# Altium PCB relay_matrix.PcbDoc (part 6 of 9)
Units mm, origin at the board's own origin, x right, y up, seen from the top; angles counter-clockwise.
Board outline 330 x 220 mm, 2 copper layers (Top Layer, Bottom Layer); 498 components, 345 nets, 2134 pads, 717 vias.
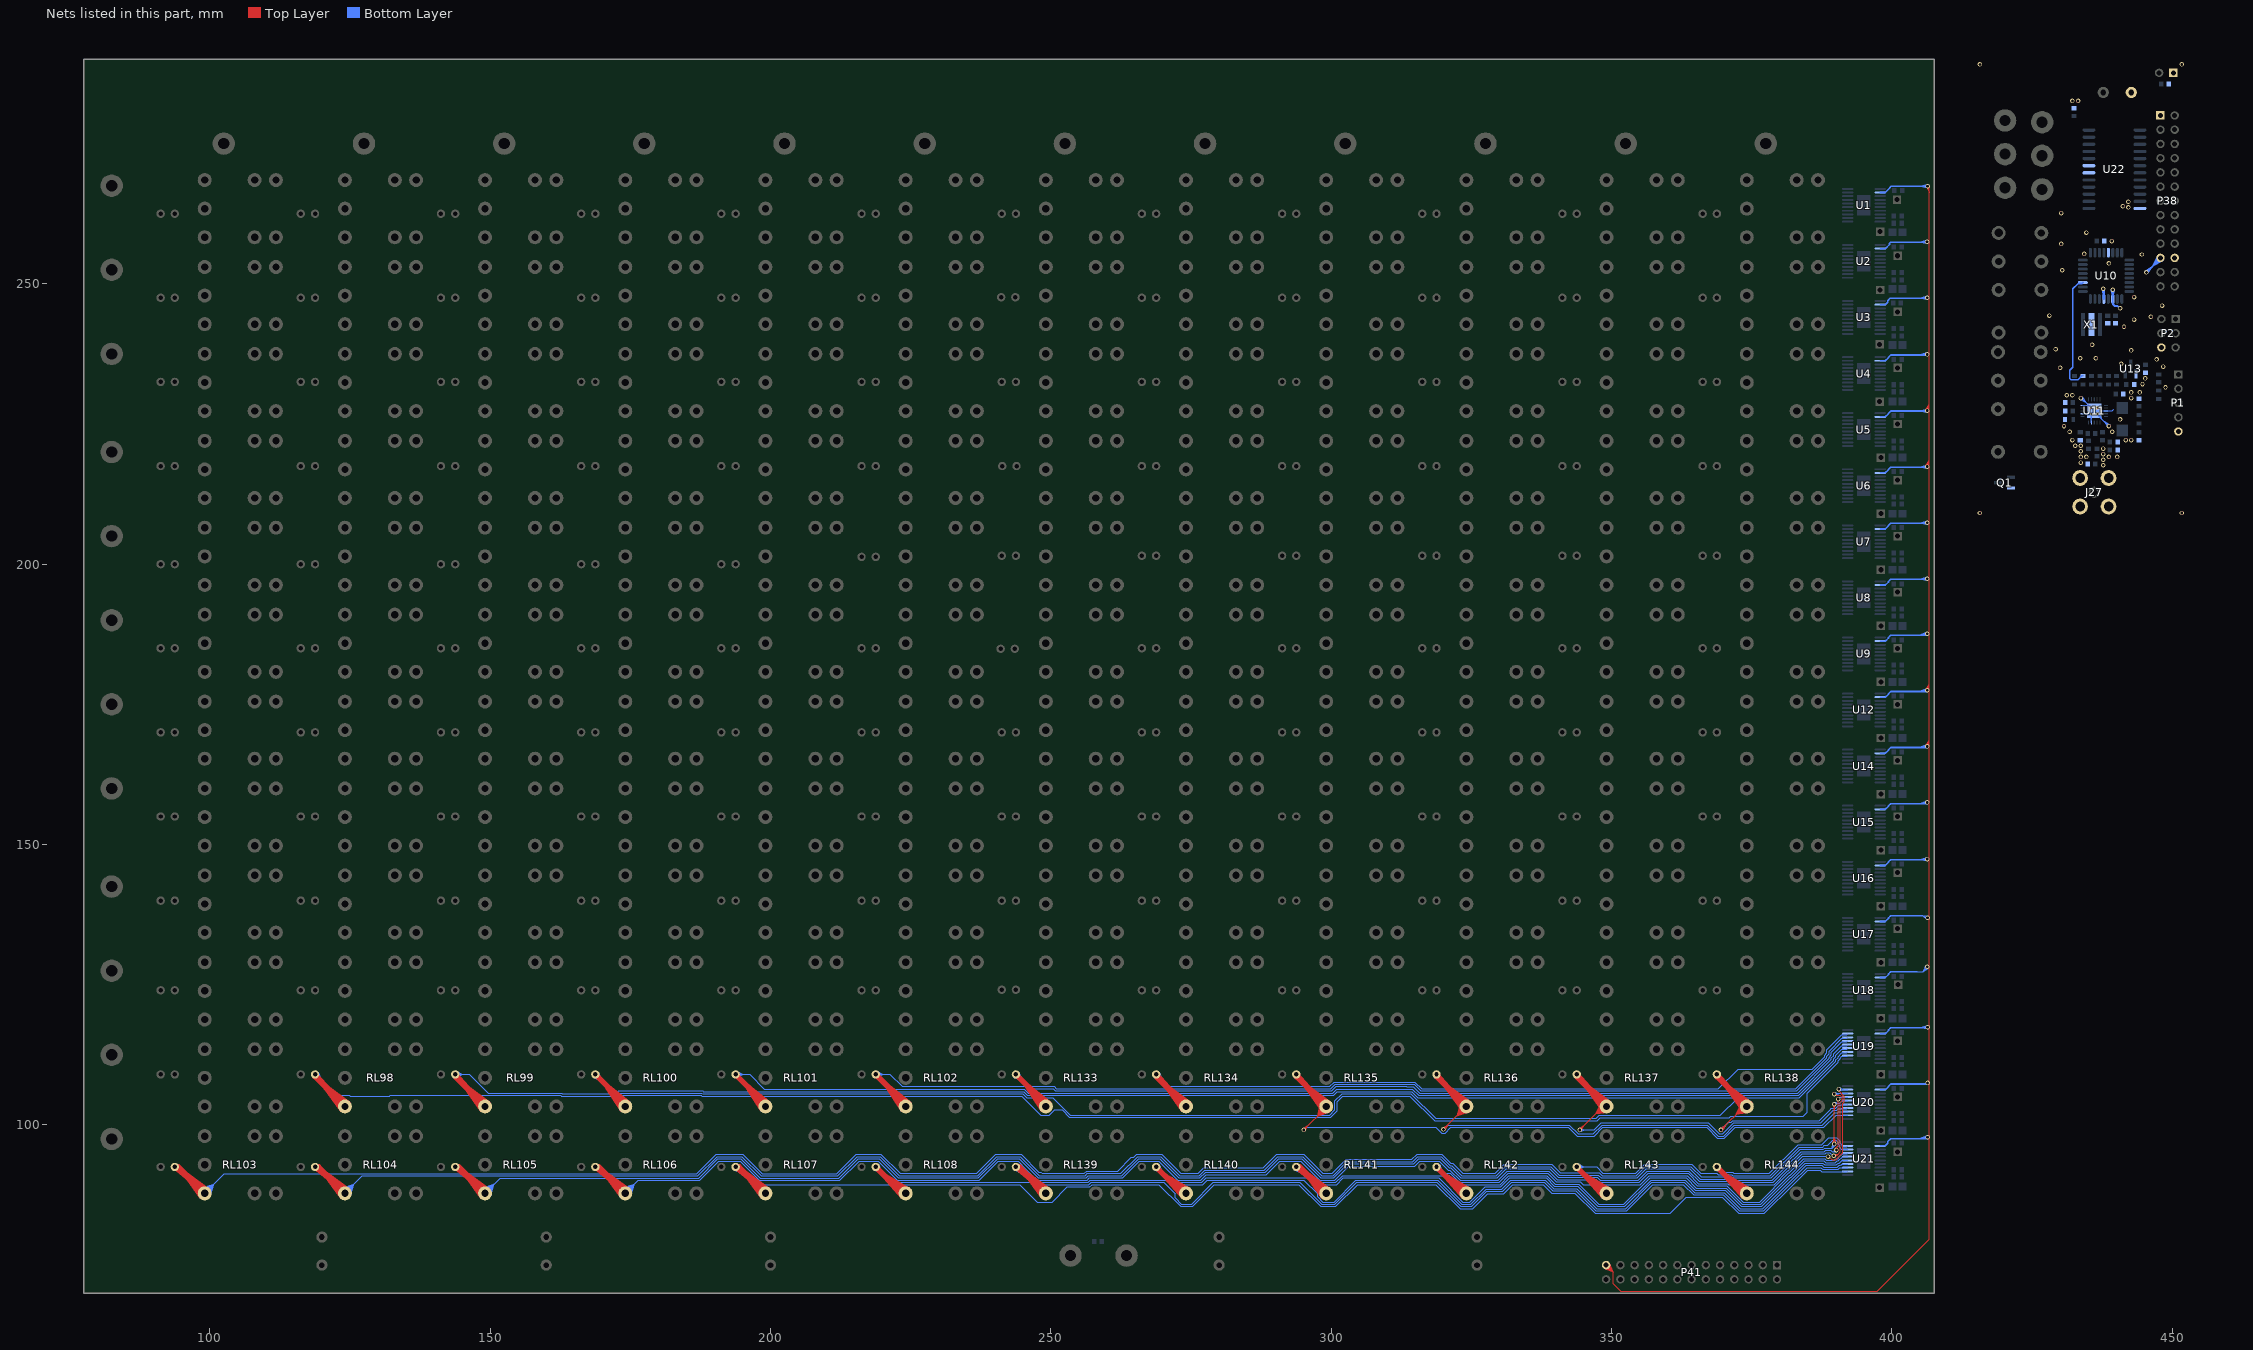
[diagram p6: the nets of this part, all layers, seen from the top]

## Via types
v1: diameter 0.8, hole 0.5, Top Layer to Bottom Layer, 477 vias
v2: diameter 0.8, hole 0.5, Top Layer to Bottom Layer, tented both sides, 122 vias
v3: diameter 0.6, hole 0.3, Top Layer to Bottom Layer, 112 vias
v4: diameter 7, hole 5, Top Layer to Bottom Layer, 6 vias

## Nets (pads, with @x,y where several pads share a name; then routed paths per layer and width w, separated by ;. In a path a pad name is that pad's centre, name@x,y a point inside that pad or via, vN(x,y) a via of type N, cw(c..) or ccw(c..) an arc to the next point about the centre after c; other vN are vias at no path point) (continued)
CONTROL_121: D98.2 RL98.3 U19.3 | length 325.6
  Top Layer w1: 121.455,105.945 D98.2@118.77,109 118.77,108.63 RL98.3@124.1,103.3 120.729,106.671 ; RL98.3@123.53,102.813 120.729,106.671 ; RL98.3@124.587,103.87 120.729,106.671
  Bottom Layer w0.2: D98.2@118.409,108.459 119.944,107.826 ; D98.2@118.498,108.642 119.944,107.826 ; D98.2@118.607,108.81 119.944,107.826 ; D98.2@118.77,109 122.62,105.15 123.192,105.15 123.292,105.25 124.908,105.25 125.008,105.15 132.092,105.15 132.192,105.25 162.608,105.25 162.708,105.15 173.192,105.15 173.292,105.25 187.608,105.25 187.708,105.15 244.792,105.15 248.192,101.75 249.742,101.75 250.65,102.658 251.992,102.658 253.3,101.35 299.908,101.35 301.05,102.492 301.05,104.108 302.092,105.15 314.034,105.15 318.434,100.75 347.395,100.75 347.959,101.314 371.007,101.314 371.243,101.55 384.15,101.55 384.9,102.3 384.9,105.681 390.4,111.181 390.4,111.437 390.8,111.837 390.8,111.922 391.078,112.2 ; D98.2@118.96,109.163 119.944,107.826 ; D98.2@119.128,109.272 119.944,107.826 ; D98.2@119.311,109.361 119.944,107.826 ; U19.3@392.1,112.375 391.925,112.2 391.078,112.2 ; 391.078,112.2 391.275,112.375 391.078,112.2
CONTROL_122: D99.2 RL99.3 U19.4 | length 295.8
  Top Layer w1: 146.455,105.945 D99.2@143.77,109 143.77,108.63 RL99.3@149.1,103.3 145.729,106.671 ; RL99.3@148.53,102.813 145.729,106.671 ; RL99.3@149.587,103.87 145.729,106.671
  Bottom Layer w0.2: D99.2@143.77,109 146.308,109 149.658,105.65 162.773,105.65 162.873,105.55 173.027,105.55 173.127,105.65 187.773,105.65 187.873,105.55 244.957,105.55 245.657,104.85 250.308,104.85 250.366,104.85 253.466,101.75 299.742,101.75 300.65,102.658 300.65,104.273 301.927,105.55 314.2,105.55 318.6,101.15 347.23,101.15 347.794,101.714 369.414,101.714 372.55,104.85 383.503,104.85 390,111.347 390,111.603 390.4,112.003 390.4,112.172 391.078,112.85 ; D99.2@143.793,108.751 145.12,109 ; D99.2@143.793,109.249 145.12,109 ; D99.2@143.845,108.556 145.12,109 ; D99.2@143.845,109.444 145.12,109 ; D99.2@143.926,108.369 145.12,109 ; D99.2@143.926,109.631 145.12,109 ; U19.4@392.1,113.025 391.925,112.85 391.078,112.85 ; 391.078,112.85 391.275,113.025 391.078,112.85
CONTROL_123: D100.2 RL100.3 U19.5 | length 262.3
  Top Layer w1: D100.2@168.77,109 174.1,103.67 RL100.3@174.1,103.3 170.944,106.826 ; RL100.3@173.503,102.846 170.944,106.826 ; RL100.3@174.617,103.843 170.944,106.826
  Bottom Layer w0.2: D100.2@168.409,108.459 169.944,107.826 ; D100.2@168.498,108.642 169.944,107.826 ; D100.2@168.607,108.81 169.944,107.826 ; D100.2@168.77,109 171.82,105.95 172.861,105.95 172.961,106.05 187.939,106.05 188.039,105.95 245.123,105.95 245.823,105.25 250.473,105.25 300.405,105.25 301.105,105.95 314.366,105.95 315.466,104.85 371.984,104.85 372.384,105.25 383.338,105.25 389.6,111.512 389.6,111.769 390,112.169 390,112.422 391.078,113.5 ; D100.2@168.96,109.163 169.944,107.826 ; D100.2@169.128,109.272 169.944,107.826 ; D100.2@169.311,109.361 169.944,107.826 ; U19.5@392.1,113.675 391.925,113.5 391.078,113.5 ; 391.078,113.5 391.275,113.675 391.078,113.5
CONTROL_124: D101.2 RL101.3 U19.6 | length 235.3
  Top Layer w1: D101.2@193.77,109 199.1,103.67 RL101.3@199.1,103.3 195.944,106.826 ; RL101.3@198.503,102.846 195.944,106.826 ; RL101.3@199.617,103.843 195.944,106.826
  Bottom Layer w0.2: D101.2@193.77,109 196.308,109 198.908,106.4 245.239,106.4 245.989,105.65 250.639,105.65 300.239,105.65 300.989,106.4 314.481,106.4 315.631,105.25 371.819,105.25 372.219,105.65 383.172,105.65 389.2,111.678 389.2,111.934 389.6,112.334 389.6,112.672 391.078,114.15 ; D101.2@193.793,108.751 195.12,109 ; D101.2@193.793,109.249 195.12,109 ; D101.2@193.845,108.556 195.12,109 ; D101.2@193.845,109.444 195.12,109 ; D101.2@193.926,108.369 195.12,109 ; D101.2@193.926,109.631 195.12,109 ; U19.6@392.1,114.325 391.925,114.15 391.078,114.15 ; 391.078,114.15 391.275,114.325 391.078,114.15
CONTROL_125: D102.2 RL102.3 U19.7 | length 210.4
  Top Layer w1: D102.2@218.77,109 224.1,103.67 RL102.3@224.1,103.3 220.944,106.826 ; RL102.3@223.503,102.846 220.944,106.826 ; RL102.3@224.617,103.843 220.944,106.826
  Bottom Layer w0.2: D102.2@218.77,109 221.308,109 223.458,106.85 245.354,106.85 245.754,106.45 250.405,106.45 250.805,106.05 300.073,106.05 300.873,106.85 313.4,106.85 313.45,106.8 314.647,106.8 315.797,105.65 371.653,105.65 372.053,106.05 383.006,106.05 388.8,111.844 388.8,112.1 389.2,112.5 389.2,112.922 391.078,114.8 ; D102.2@218.793,108.751 220.12,109 ; D102.2@218.793,109.249 220.12,109 ; D102.2@218.845,108.556 220.12,109 ; D102.2@218.845,109.444 220.12,109 ; D102.2@218.926,108.369 220.12,109 ; D102.2@218.926,109.631 220.12,109 ; U19.7@392.1,114.975 391.925,114.8 391.078,114.8 ; 391.078,114.8 391.275,114.975 391.078,114.8
CONTROL_126: D133.2 RL133.3 U19.8 | length 187.2
  Top Layer w1: D133.2@243.77,109 249.1,103.67 RL133.3@249.1,103.3 245.944,106.826 ; RL133.3@248.503,102.846 245.944,106.826 ; RL133.3@249.617,103.843 245.944,106.826
  Bottom Layer w0.2: D133.2@243.409,108.459 244.944,107.826 ; D133.2@243.498,108.642 244.944,107.826 ; D133.2@243.607,108.81 244.944,107.826 ; D133.2@243.77,109 245.92,106.85 250.57,106.85 250.97,106.45 299.908,106.45 300.708,107.25 314.763,107.25 315.963,106.05 371.487,106.05 371.887,106.45 382.841,106.45 388.4,112.009 388.4,112.266 388.8,112.666 388.8,113.172 391.078,115.45 ; D133.2@243.96,109.163 244.944,107.826 ; D133.2@244.128,109.272 244.944,107.826 ; D133.2@244.311,109.361 244.944,107.826 ; U19.8@392.1,115.625 391.925,115.45 391.078,115.45 ; 391.078,115.45 391.275,115.625 391.078,115.45
CONTROL_127: D134.2 RL134.3 U19.9 | length 166.4
  Top Layer w1: 271.455,105.945 D134.2@268.77,109 268.77,108.63 RL134.3@274.1,103.3 270.729,106.671 ; RL134.3@273.53,102.813 270.729,106.671 ; RL134.3@274.587,103.87 270.729,106.671
  Bottom Layer w0.2: D134.2@268.409,108.459 269.944,107.826 ; D134.2@268.498,108.642 269.944,107.826 ; D134.2@268.607,108.81 269.944,107.826 ; D134.2@268.77,109 270.92,106.85 299.742,106.85 300.542,107.65 314.928,107.65 316.128,106.45 369.05,106.45 372.55,109.95 385.775,109.95 388,112.175 388,112.432 388.4,112.832 388.4,113.422 391.078,116.1 ; D134.2@268.96,109.163 269.944,107.826 ; D134.2@269.128,109.272 269.944,107.826 ; D134.2@269.311,109.361 269.944,107.826 ; U19.9@392.1,116.275 391.925,116.1 391.078,116.1 ; 391.078,116.1 391.275,116.275 391.078,116.1
CONTROL_128: D135.2 RL135.3 U20.2 | length 168.7
  Top Layer w0.2: v1@294.917,99.338 295.924,99.924 v1@295.338,98.917 ; v1(295.1,99.1) 299.1,103.1 RL135.3@299.1,103.3 297.553,101.553 ; RL135.3@298.078,103.827 297.553,101.553 ; RL135.3@298.275,103.772 297.553,101.553 ; RL135.3@298.466,103.701 297.553,101.553 ; RL135.3@298.648,103.614 297.553,101.553 ; RL135.3@298.821,103.512 297.553,101.553 ; RL135.3@298.985,103.396 297.553,101.553 ; RL135.3@299.209,103.197 297.553,101.553 ; RL135.3@299.344,103.049 297.553,101.553 ; RL135.3@299.466,102.889 297.553,101.553 ; RL135.3@299.574,102.719 297.553,101.553 ; RL135.3@299.668,102.539 297.553,101.553 ; RL135.3@299.747,102.349 297.553,101.553
  Top Layer w1: 296.455,105.945 D135.2@293.77,109 293.77,108.63 RL135.3@299.1,103.3 295.729,106.671 ; RL135.3@298.53,102.813 295.729,106.671 ; RL135.3@299.587,103.87 295.729,106.671
  Bottom Layer w0.2: v1@294.944,99.356 295.55,99.55 ; v1(295.1,99.1) 295.55,99.55 ; v1@295.356,98.944 295.55,99.55 ; 390.5,101.725 U20.2@391.275,101.725 ; U20.2@392.1,101.725 390.046,101.725 387.871,99.55 372.071,99.55 370.121,97.6 368.879,97.6 366.929,99.55 362.442,99.55 348.458,99.55 346.908,98 343.844,98 342.294,99.55 321.34,99.55 320.29,98.5 319.71,98.5 318.66,99.55 295.55,99.55
CONTROL_129: D136.2 RL136.3 U20.3 | length 144.4
  Top Layer w0.2: v1@319.817,99.438 320.824,100.024 v1@320.238,99.017 ; v1(320,99.2) RL136.3@324.1,103.3 322.426,101.626 ; RL136.3@323.114,103.891 322.426,101.626 ; RL136.3@323.307,103.823 322.426,101.626 ; RL136.3@323.492,103.74 322.426,101.626 ; RL136.3@323.669,103.641 322.426,101.626 ; RL136.3@323.835,103.529 322.426,101.626 ; RL136.3@323.991,103.403 322.426,101.626 ; RL136.3@324.203,103.191 322.426,101.626 ; RL136.3@324.329,103.035 322.426,101.626 ; RL136.3@324.441,102.869 322.426,101.626 ; RL136.3@324.54,102.692 322.426,101.626 ; RL136.3@324.623,102.507 322.426,101.626 ; RL136.3@324.691,102.314 322.426,101.626
  Top Layer w1: 321.455,105.945 D136.2@318.77,109 318.77,108.63 RL136.3@324.1,103.3 320.729,106.671 ; RL136.3@323.53,102.813 320.729,106.671 ; RL136.3@324.587,103.87 320.729,106.671
  Bottom Layer w0.2: v1@319.82,99.44 320.75,99.95 ; v1(320,99.2) 320.75,99.95 ; v1@320.24,99.02 320.75,99.95 ; 390.5,102.375 U20.3@391.275,102.375 ; U20.3@392.1,102.375 390.496,102.375 390.321,102.2 389.814,102.2 387.564,99.95 371.906,99.95 369.956,98 369.044,98 367.094,99.95 348.292,99.95 346.742,98.4 344.01,98.4 342.46,99.95 320.75,99.95
CONTROL_130: D137.2 RL137.3 U20.4 | length 119.3
  Top Layer w0.2: v1@344.117,99.338 345.124,99.924 v1@344.538,98.917 ; v1(344.3,99.1) 348.5,103.3 RL137.3@349.1,103.3 347.176,101.976 ; RL137.3@348.235,104.058 347.176,101.976 ; RL137.3@348.414,103.957 347.176,101.976 ; RL137.3@348.581,103.842 347.176,101.976 ; RL137.3@348.737,103.713 347.176,101.976 ; RL137.3@348.881,103.573 347.176,101.976 ; RL137.3@349.011,103.421 347.176,101.976 ; RL137.3@349.181,103.174 347.176,101.976 ; RL137.3@349.276,102.998 347.176,101.976 ; RL137.3@349.356,102.813 347.176,101.976 ; RL137.3@349.42,102.622 347.176,101.976 ; RL137.3@349.468,102.424 347.176,101.976 ; RL137.3@349.499,102.221 347.176,101.976
  Top Layer w1: 346.455,105.945 D137.2@343.77,109 343.77,108.63 RL137.3@349.1,103.3 345.729,106.671 ; RL137.3@348.53,102.813 345.729,106.671 ; RL137.3@349.587,103.87 345.729,106.671
  Bottom Layer w0.2: v1(344.3,99.1) 346.877,99.1 348.127,100.35 367.26,100.35 369.21,98.4 369.79,98.4 371.74,100.35 387.257,100.35 389.507,102.6 390.156,102.6 390.456,102.9 391.975,102.9 U20.4@392.1,103.025 ; v1@344.345,98.803 345.3,99.1 v1@344.345,99.397 ; 390.499,102.9 U20.4@391.275,103.025
CONTROL_131: D138.2 RL138.3 U20.5 | length 92.4
  Top Layer w0.2: v1@369.317,99.338 370.324,99.924 v1@369.738,98.917 ; v1(369.5,99.1) 373.7,103.3 RL138.3@374.1,103.3 372.269,101.869 ; RL138.3@373.19,104.003 372.269,101.869 ; RL138.3@373.374,103.913 372.269,101.869 ; RL138.3@373.549,103.809 372.269,101.869 ; RL138.3@373.712,103.69 372.269,101.869 ; RL138.3@373.864,103.559 372.269,101.869 ; RL138.3@374.004,103.415 372.269,101.869 ; RL138.3@374.188,103.179 372.269,101.869 ; RL138.3@374.294,103.009 372.269,101.869 ; RL138.3@374.385,102.83 372.269,101.869 ; RL138.3@374.46,102.642 372.269,101.869 ; RL138.3@374.52,102.448 372.269,101.869 ; RL138.3@374.562,102.247 372.269,101.869
  Top Layer w1: 371.455,105.945 D138.2@368.77,109 368.77,108.63 RL138.3@374.1,103.3 370.729,106.671 ; RL138.3@373.53,102.813 370.729,106.671 ; RL138.3@374.587,103.87 370.729,106.671
  Bottom Layer w0.2: v1@369.317,99.338 370.324,99.924 v1@369.738,98.917 ; v1(369.5,99.1) 370.914,100.514 371.338,100.514 371.574,100.75 387.066,100.75 389.1,102.784 389.1,102.9 389.2,103 389.99,103 390.49,103.5 390.856,103.5 390.956,103.6 ; U20.5@391.275,103.675 390.956,103.6 ; U20.5@392.1,103.675 392.025,103.6 390.956,103.6
CONTROL_132: D103.2 RL103.3 U20.6 | length 389.5
  Top Layer w0.2: v1@389.403,96.645 389.7,97.6 ; v1@389.403,103.655 389.7,102.7 v1@389.997,103.655 ; v1(389.7,103.7) 389.7,96.601 389.7,97.6 ; v1@389.996,96.645 389.7,97.6
  Top Layer w1: 96.997,89.903 D103.2@93.77,92.5 94.4,92.5 RL103.3@99.1,87.8 95.729,91.171 ; RL103.3@98.53,87.313 95.729,91.171 ; RL103.3@99.587,88.37 95.729,91.171
  Bottom Layer w0.2: RL103.3@98.509,88.786 100.774,89.474 ; RL103.3@98.577,88.593 100.774,89.474 ; RL103.3@98.66,88.408 100.774,89.474 ; RL103.3@98.759,88.231 100.774,89.474 ; RL103.3@98.871,88.065 100.774,89.474 ; RL103.3@98.997,87.909 100.774,89.474 ; RL103.3@99.1,87.8 102.6,91.3 186.848,91.3 190.298,94.75 195.058,94.75 198.508,91.3 211.848,91.3 215.298,94.75 219.702,94.75 223.102,91.35 236.75,91.35 240.15,94.75 244.702,94.75 247.876,91.576 248.232,91.576 248.458,91.35 255.964,91.35 256.364,91.75 261.9,91.75 264.35,94.2 264.748,94.2 265.298,94.75 269.747,94.75 273.147,91.35 276.25,91.35 277.251,92.351 287.9,92.351 290.298,94.75 295.058,94.75 298.458,91.35 300.15,91.35 302.636,93.836 314.384,93.836 315.298,94.75 319.747,94.75 321.349,93.149 321.659,93.149 323.458,91.35 329.267,91.35 330.867,92.95 335.7,92.95 335.702,92.951 339.294,92.951 340.795,91.45 347.792,91.45 348.292,90.95 354.433,90.95 356.032,92.55 364.129,92.55 365.941,90.738 371.232,90.738 371.421,90.55 378.467,90.55 380.953,93.036 381.006,93.036 383.62,95.65 387.773,95.65 387.978,95.855 389.355,95.855 ; RL103.3@99.209,87.697 100.774,89.474 ; RL103.3@99.365,87.571 100.774,89.474 ; RL103.3@99.531,87.459 100.774,89.474 ; RL103.3@99.708,87.36 100.774,89.474 ; RL103.3@99.893,87.277 100.774,89.474 ; RL103.3@100.086,87.209 100.774,89.474 ; v1@389.409,96.674 389.355,95.855 ; v1@389.944,96.426 389.355,95.855 ; U20.6@392.1,104.325 391.115,104.325 390.69,103.9 390.11,103.9 ; 389.355,95.855 v1(389.699,96.6) 389.9,96.6 390,96.5 389.355,95.855 ; v1(389.7,103.7) 390.11,103.9 ; v1(389.7,103.7) 390.11,103.9 ; v1(389.7,103.7) 389.7,104 390.01,104 390.11,103.9 ; 390.11,103.9 389.913,103.489 390.11,103.9 ; 390.11,103.9 389.664,103.998 390.11,103.9
CONTROL_133: D104.2 RL104.3 U20.7 | length 358.1
  Top Layer w0.2: v1@389.812,95.588 390.099,96.01 ; v1(390.099,95.5) 390.099,96.01 ; v1@390.386,95.588 390.099,96.01 ; 390.399,103.409 390.399,96.31 390.099,96.01 ; 390.4,103.41 v1(390.4,104.6)
  Top Layer w1: 121.997,89.903 D104.2@118.77,92.5 119.4,92.5 RL104.3@124.1,87.8 120.729,91.171 ; RL104.3@123.53,87.313 120.729,91.171 ; RL104.3@124.587,88.37 120.729,91.171
  Bottom Layer w0.2: RL104.3@123.509,88.786 125.774,89.474 ; RL104.3@123.577,88.593 125.774,89.474 ; RL104.3@123.66,88.408 125.774,89.474 ; RL104.3@123.759,88.231 125.774,89.474 ; RL104.3@123.871,88.065 125.774,89.474 ; RL104.3@123.997,87.909 125.774,89.474 ; RL104.3@124.1,87.8 127.2,90.9 187.014,90.9 190.464,94.35 194.892,94.35 198.342,90.9 212.014,90.9 215.464,94.35 219.536,94.35 222.936,90.95 236.916,90.95 240.316,94.35 244.536,94.35 247.936,90.95 256.13,90.95 256.53,91.35 262.464,91.35 265.464,94.35 269.581,94.35 272.981,90.95 276.416,90.95 277.417,91.951 288.065,91.951 290.464,94.35 294.892,94.35 298.292,90.95 300.316,90.95 302.801,93.436 314.549,93.436 315.464,94.35 319.581,94.35 321.183,92.749 321.494,92.749 323.292,90.95 329.433,90.95 331.032,92.55 335.983,92.55 335.984,92.551 339.128,92.551 340.629,91.05 347.627,91.05 348.127,90.55 354.598,90.55 356.198,92.15 363.964,92.15 365.775,90.338 371.067,90.338 371.255,90.15 378.633,90.15 381.118,92.636 381.171,92.636 383.786,95.25 387.939,95.25 388.144,95.455 389.101,95.455 389.356,95.2 389.6,95.2 ; RL104.3@124.209,87.697 125.774,89.474 ; RL104.3@124.365,87.571 125.774,89.474 ; RL104.3@124.531,87.459 125.774,89.474 ; RL104.3@124.708,87.36 125.774,89.474 ; RL104.3@124.893,87.277 125.774,89.474 ; RL104.3@125.086,87.209 125.774,89.474 ; v1@389.884,95.709 389.6,95.2 ; v1@390.182,95.212 389.6,95.2 ; v1(390.4,104.6) 390.775,104.975 ; U20.7@391.275,104.975 390.775,104.975 ; U20.7@392.1,104.975 390.775,104.975 ; 389.6,95.2 v1(390.099,95.5) 389.9,95.5 389.6,95.2
CONTROL_134: D105.2 RL105.3 U20.8 | length 339.9
  Top Layer w0.2: v1@389.544,94.795 390.389,94.8 ; v1(389.699,105.5) 389.899,105.3 390.69,105.3 391.1,104.89 391.1,104.3 390.8,104 390.8,95.211 390.389,94.8 ; v1@389.754,94.243 390.389,94.8 ; 390.389,94.8 v1(389.599,94.5) 389.899,94.8 390.389,94.8
  Top Layer w1: 146.997,89.903 D105.2@143.77,92.5 144.4,92.5 RL105.3@149.1,87.8 145.729,91.171 ; RL105.3@148.53,87.313 145.729,91.171 ; RL105.3@149.587,88.37 145.729,91.171
  Bottom Layer w0.2: RL105.3@148.509,88.786 150.774,89.474 ; RL105.3@148.577,88.593 150.774,89.474 ; RL105.3@148.66,88.408 150.774,89.474 ; RL105.3@148.759,88.231 150.774,89.474 ; RL105.3@148.871,88.065 150.774,89.474 ; RL105.3@148.997,87.909 150.774,89.474 ; RL105.3@149.1,87.8 151.8,90.5 187.179,90.5 190.629,93.95 194.727,93.95 198.177,90.5 212.179,90.5 215.629,93.95 219.371,93.95 222.771,90.55 237.081,90.55 240.481,93.95 244.371,93.95 247.771,90.55 256.295,90.55 256.695,90.95 262.629,90.95 265.629,93.95 269.416,93.95 272.816,90.55 276.581,90.55 277.583,91.551 288.231,91.551 290.629,93.95 294.727,93.95 298.127,90.55 300.481,90.55 302.967,93.036 314.715,93.036 315.629,93.95 319.416,93.95 321.017,92.349 321.328,92.349 323.127,90.55 329.598,90.55 331.198,92.15 336.266,92.15 336.267,92.151 338.962,92.151 340.464,90.65 347.461,90.65 347.961,90.15 354.764,90.15 356.364,91.75 363.798,91.75 365.61,89.938 370.901,89.938 371.089,89.75 378.798,89.75 381.284,92.236 381.337,92.236 383.951,94.85 388.105,94.85 388.309,95.055 388.935,95.055 389.49,94.5 v1(389.599,94.5) ; RL105.3@149.209,87.697 150.774,89.474 ; RL105.3@149.365,87.571 150.774,89.474 ; RL105.3@149.531,87.459 150.774,89.474 ; RL105.3@149.708,87.36 150.774,89.474 ; RL105.3@149.893,87.277 150.774,89.474 ; RL105.3@150.086,87.209 150.774,89.474 ; v1@389.707,105.8 390.718,105.625 ; v1@389.779,105.211 390.718,105.625 ; 390.5,105.625 U20.8@391.275,105.625 ; U20.8@392.1,105.625 389.824,105.625 v1(389.699,105.5) 390.718,105.625
CONTROL_135: D106.2 RL106.3 U20.9 | length 314.9
  Top Layer w0.2: v1(388.599,94.355) 388.755,94.355 389.309,93.8 389.955,93.8 391.2,95.045 391.2,103.834 391.5,104.134 391.5,105.056 390.4,106.156 390.499,106.255 v1(390.499,106.4)
  Top Layer w1: 171.997,89.903 D106.2@168.77,92.5 169.4,92.5 RL106.3@174.1,87.8 170.729,91.171 ; RL106.3@173.53,87.313 170.729,91.171 ; RL106.3@174.587,88.37 170.729,91.171
  Bottom Layer w0.2: RL106.3@173.509,88.786 175.774,89.474 ; RL106.3@173.577,88.593 175.774,89.474 ; RL106.3@173.66,88.408 175.774,89.474 ; RL106.3@173.759,88.231 175.774,89.474 ; RL106.3@173.871,88.065 175.774,89.474 ; RL106.3@173.997,87.909 175.774,89.474 ; RL106.3@174.1,87.8 176.4,90.1 187.345,90.1 190.795,93.55 194.561,93.55 198.011,90.1 212.345,90.1 215.795,93.55 219.205,93.55 222.605,90.15 237.247,90.15 240.647,93.55 244.205,93.55 244.82,92.935 244.82,92.783 246.951,90.651 247.104,90.651 247.605,90.15 256.461,90.15 256.861,90.55 262.795,90.55 265.795,93.55 269.25,93.55 272.65,90.15 276.747,90.15 277.749,91.151 288.397,91.151 290.795,93.55 294.561,93.55 297.961,90.15 300.647,90.15 303.133,92.636 314.881,92.636 315.795,93.55 319.25,93.55 320.851,91.949 321.162,91.949 322.961,90.15 329.764,90.15 331.364,91.75 336.547,91.75 336.549,91.751 338.797,91.751 340.298,90.25 347.295,90.25 347.795,89.75 354.93,89.75 356.53,91.35 363.632,91.35 365.444,89.538 370.735,89.538 370.924,89.35 378.964,89.35 381.45,91.836 381.503,91.836 384.067,94.4 388.554,94.4 v1(388.599,94.355) ; RL106.3@174.209,87.697 175.774,89.474 ; RL106.3@174.365,87.571 175.774,89.474 ; RL106.3@174.531,87.459 175.774,89.474 ; RL106.3@174.708,87.36 175.774,89.474 ; RL106.3@174.893,87.277 175.774,89.474 ; RL106.3@175.086,87.209 175.774,89.474 ; v1@390.507,106.1 U20.9@391.511,106.275 ; v1@390.509,106.1 U20.9@391.275,106.275 ; v1@390.579,106.689 U20.9@391.511,106.275 ; v1@390.603,106.681 U20.9@391.275,106.275 ; U20.9@392.1,106.275 v1@390.525,106.275 ; v1(390.499,106.4) U20.9@391.511,106.275 ; v1(390.499,106.4) U20.9@391.275,106.275 ; v1(390.499,106.4) 390.499,106.301 v1@390.525,106.275 ; v1@390.525,106.275 U20.9@391.275,106.275
CONTROL_136: D107.2 RL107.3 U21.2 | length 256.5
  Top Layer w1: 196.997,89.903 D107.2@193.77,92.5 194.4,92.5 RL107.3@199.1,87.8 195.729,91.171 ; RL107.3@198.53,87.313 195.729,91.171 ; RL107.3@199.587,88.37 195.729,91.171
  Bottom Layer w0.2: D107.2@193.409,91.959 194.944,91.326 ; D107.2@193.498,92.142 194.944,91.326 ; D107.2@193.607,92.31 194.944,91.326 ; D107.2@193.77,92.5 196.92,89.35 244.45,89.35 247.55,86.25 250.2,86.25 252.9,88.95 256.958,88.95 257.358,89.35 269.227,89.35 273.127,85.45 275.266,85.45 279.166,89.35 294.227,89.35 298.127,85.45 300.831,85.45 304.731,89.35 318.661,89.35 322.961,85.05 325.239,85.05 327.939,87.75 330.758,87.75 332.358,89.35 337.804,89.35 339.304,87.85 343.437,87.85 347.037,84.25 360.442,84.25 363.33,87.138 369.741,87.138 372.63,84.25 377.258,84.25 382.444,89.436 382.497,89.436 384.961,91.9 387.235,91.9 387.481,91.655 392.03,91.655 U21.2@392.1,91.725 ; D107.2@193.96,92.663 194.944,91.326 ; D107.2@194.128,92.772 194.944,91.326 ; D107.2@194.311,92.861 194.944,91.326 ; 390.498,91.655 U21.2@391.275,91.725
CONTROL_137: D108.2 RL108.3 U21.3 | length 226.7
  Top Layer w1: D108.2@218.77,92.5 223.47,87.8 RL108.3@224.1,87.8 220.454,90.816 ; RL108.3@223.578,87.262 220.454,90.816 ; RL108.3@224.531,88.414 220.454,90.816
  Bottom Layer w0.2: D108.2@218.409,91.959 219.944,91.326 ; D108.2@218.498,92.142 219.944,91.326 ; D108.2@218.607,92.31 219.944,91.326 ; D108.2@218.77,92.5 221.52,89.75 246.874,89.75 247.274,89.35 256.792,89.35 257.192,89.75 270.1,89.75 272.15,87.7 272.15,86.992 273.292,85.85 275.1,85.85 279,89.75 294.392,89.75 298.292,85.85 300.666,85.85 304.566,89.75 318.827,89.75 323.127,85.45 325.073,85.45 327.773,88.15 330.592,88.15 332.192,89.75 337.97,89.75 339.47,88.25 343.603,88.25 347.203,84.65 352.658,84.65 357.358,89.35 362.804,89.35 364.616,87.538 369.907,87.538 372.795,84.65 377.092,84.65 382.278,89.836 382.331,89.836 384.87,92.375 387.326,92.375 387.647,92.055 390.407,92.055 390.727,92.375 ; D108.2@218.96,92.663 219.944,91.326 ; D108.2@219.128,92.772 219.944,91.326 ; D108.2@219.311,92.861 219.944,91.326 ; U21.3@391.275,92.375 390.727,92.375 ; U21.3@392.1,92.375 390.727,92.375
CONTROL_138: D139.2 RL139.3 U21.4 | length 203.8
  Top Layer w1: 246.997,89.903 D139.2@243.77,92.5 244.4,92.5 RL139.3@249.1,87.8 245.729,91.171 ; RL139.3@248.53,87.313 245.729,91.171 ; RL139.3@249.587,88.37 245.729,91.171
  Bottom Layer w0.2: D139.2@243.409,91.959 244.944,91.326 ; D139.2@243.498,92.142 244.944,91.326 ; D139.2@243.607,92.31 244.944,91.326 ; D139.2@243.77,92.5 246.12,90.15 247.039,90.15 247.439,89.75 256.627,89.75 257.027,90.15 271.519,90.15 272.319,89.35 277.078,89.35 277.878,90.15 295.1,90.15 297.55,87.7 297.55,87.158 298.458,86.25 300.5,86.25 304.4,90.15 318.992,90.15 323.292,85.85 324.908,85.85 327.608,88.55 330.427,88.55 332.027,90.15 338.135,90.15 339.635,88.65 343.769,88.65 347.369,85.05 352.492,85.05 357.192,89.75 362.97,89.75 364.781,87.938 370.073,87.938 372.961,85.05 376.927,85.05 382.112,90.236 382.165,90.236 384.73,92.8 387.467,92.8 387.812,92.455 390.241,92.455 390.586,92.8 390.786,92.8 ; D139.2@243.96,92.663 244.944,91.326 ; D139.2@244.128,92.772 244.944,91.326 ; D139.2@244.311,92.861 244.944,91.326 ; U21.4@392.1,93.025 391.011,93.025 ; 390.786,92.8 U21.4@391.275,93.025 ; 390.786,92.8 391.011,93.025 ; 391.011,93.025 U21.4@391.275,93.025 ; 391.011,93.025 U21.4@391.275,93.025
CONTROL_139: D140.2 RL140.3 U21.5 | length 170.8
  Top Layer w1: D140.2@268.77,92.5 273.47,87.8 RL140.3@274.1,87.8 270.454,90.816 ; RL140.3@273.578,87.262 270.454,90.816 ; RL140.3@274.531,88.414 270.454,90.816
  Bottom Layer w0.2: D140.2@268.409,91.959 269.944,91.326 ; D140.2@268.498,92.142 269.944,91.326 ; D140.2@268.607,92.31 269.944,91.326 ; D140.2@268.77,92.5 270.72,90.55 271.684,90.55 272.484,89.75 276.913,89.75 277.713,90.55 296.43,90.55 297.63,89.35 300.978,89.35 302.178,90.55 319.158,90.55 323.458,86.25 324.742,86.25 327.442,88.95 330.261,88.95 331.861,90.55 338.301,90.55 339.801,89.05 343.934,89.05 347.534,85.45 352.327,85.45 357.027,90.15 363.135,90.15 364.947,88.338 370.238,88.338 373.127,85.45 376.761,85.45 381.947,90.636 382,90.636 384.564,93.2 387.632,93.2 387.978,92.855 390.075,92.855 390.421,93.2 390.621,93.2 391.096,93.675 ; D140.2@268.96,92.663 269.944,91.326 ; D140.2@269.128,92.772 269.944,91.326 ; D140.2@269.311,92.861 269.944,91.326 ; U21.5@392.1,93.675 391.096,93.675 ; 391.096,93.675 391.275,93.675 391.096,93.675
CONTROL_140: D141.2 RL141.3 U21.6 | length 146.8
  Top Layer w1: 296.997,89.903 D141.2@293.77,92.5 294.4,92.5 RL141.3@299.1,87.8 295.729,91.171 ; RL141.3@298.53,87.313 295.729,91.171 ; RL141.3@299.587,88.37 295.729,91.171
  Bottom Layer w0.2: D141.2@293.409,91.959 294.944,91.326 ; D141.2@293.498,92.142 294.944,91.326 ; D141.2@293.607,92.31 294.944,91.326 ; D141.2@293.77,92.5 295.32,90.95 296.595,90.95 297.795,89.75 300.813,89.75 302.013,90.95 321.03,90.95 322.63,89.35 330.095,89.35 331.695,90.95 338.467,90.95 339.967,89.45 344.1,89.45 347.7,85.85 352.161,85.85 356.861,90.55 363.301,90.55 365.113,88.738 370.404,88.738 373.292,85.85 376.595,85.85 381.781,91.036 381.834,91.036 384.398,93.6 387.798,93.6 388.144,93.255 389.91,93.255 390.255,93.6 390.455,93.6 391.18,94.325 U21.6@392.1,94.325 ; D141.2@293.96,92.663 294.944,91.326 ; D141.2@294.128,92.772 294.944,91.326 ; D141.2@294.311,92.861 294.944,91.326
CONTROL_141: D142.2 RL142.3 U21.7 | length 113.7
  Top Layer w1: D142.2@318.77,92.5 323.47,87.8 RL142.3@324.1,87.8 320.454,90.816 ; RL142.3@323.578,87.262 320.454,90.816 ; RL142.3@324.531,88.414 320.454,90.816
  Bottom Layer w0.2: D142.2@318.411,91.958 319.92,91.35 ; D142.2@318.499,92.141 319.92,91.35 ; D142.2@318.607,92.31 319.92,91.35 ; D142.2@318.77,92.5 319.92,91.35 ; D142.2@318.96,92.663 319.92,91.35 ; D142.2@319.129,92.771 319.92,91.35 ; D142.2@319.312,92.858 319.92,91.35 ; U21.7@392.1,94.975 392.025,94.9 391.178,94.9 390.699,94.421 390.699,94.41 390.289,94 390.089,94 389.744,93.655 388.309,93.655 387.964,94 384.233,94 381.668,91.436 381.615,91.436 376.43,86.25 373.458,86.25 370.57,89.138 365.278,89.138 363.467,90.95 356.695,90.95 355.095,89.35 344.9,89.35 344.4,89.85 340.132,89.85 338.632,91.35 331.53,91.35 329.93,89.75 322.795,89.75 321.195,91.35 319.92,91.35
CONTROL_142: D143.2 RL143.3 U21.8 | length 84
  Top Layer w1: D143.2@343.77,92.5 348.47,87.8 RL143.3@349.1,87.8 345.454,90.816 ; RL143.3@348.578,87.262 345.454,90.816 ; RL143.3@349.531,88.414 345.454,90.816
  Bottom Layer w0.2: D143.2@343.77,92.5 347.308,92.5 348.458,91.35 354.267,91.35 355.867,92.95 364.295,92.95 365.895,91.35 368.778,91.35 368.99,91.138 371.398,91.138 371.586,90.95 378.301,90.95 380.787,93.436 380.84,93.436 383.454,96.05 387.608,96.05 387.958,96.4 388.509,96.4 389.409,97.3 389.989,97.3 390.4,96.889 390.4,96.563 390.676,96.286 390.54,96.15 390.99,95.7 ; D143.2@343.793,92.251 345.12,92.5 ; D143.2@343.793,92.749 345.12,92.5 ; D143.2@343.845,92.056 345.12,92.5 ; D143.2@343.845,92.944 345.12,92.5 ; D143.2@343.926,91.869 345.12,92.5 ; D143.2@343.926,93.131 345.12,92.5 ; U21.8@391.275,95.625 390.99,95.7 ; U21.8@392.1,95.625 392.025,95.7 390.99,95.7
CONTROL_143: D144.2 RL144.3 U21.9 | length 57.2
  Top Layer w1: D144.2@368.77,92.5 373.47,87.8 RL144.3@374.1,87.8 370.454,90.816 ; RL144.3@373.578,87.262 370.454,90.816 ; RL144.3@374.531,88.414 370.454,90.816
  Bottom Layer w0.2: D144.2@368.434,91.944 369.732,91.538 ; D144.2@368.509,92.134 369.732,91.538 ; D144.2@368.61,92.308 369.732,91.538 ; D144.2@368.77,92.5 369.732,91.538 ; D144.2@368.962,92.66 369.732,91.538 ; D144.2@369.136,92.761 369.732,91.538 ; D144.2@369.326,92.836 369.732,91.538 ; U21.9@392.1,96.275 391.925,96.1 391.156,96.1 391.1,96.156 391.1,96.428 390.8,96.728 390.8,97.055 390.155,97.7 388.692,97.7 387.442,96.45 383.289,96.45 380.674,93.836 380.621,93.836 378.135,91.35 371.752,91.35 371.564,91.538 369.732,91.538
CSN: R165.2 U10.11 | length 21.3
  Bottom Layer w0.3: U10.11@434.05,250.224 433.875,250.049 433.192,250.049 432.238,249.096 432.238,235.126 431.675,234.563 431.675,233.124 431.925,232.874 433.17,232.874 433.87,233.574 R165.2@434.075,233.574
DGND: C16.2 C17.2 C18.2 C19.1 C20.1 C21.2 C23.2 C25.2 C26.2 C27.2 C28.2 C29.2 C30.2 C31.2 C32.2 C33.2 C35.2 J27.2 J27.3 J27.4 J27.5 P1.5 P2.6 P3.1 P38.1 P38.21 P38.22 Q1.2 R163.2 U10.3 U10.5 U10.21 U11.8 U11.14 U11.17 U11.20 U11.21 U13.1 U22.12 U22.18 U22.19 X1.2 | length 76.5
  Bottom Layer w0.2: v1@433.508,229.375 434.537,228.862 ; v1@433.902,229.821 434.537,228.862 ; U11.17@434,226.824 U11.21@435.575,226.824 ; U11.20@434,228.324 U11.21@435.075,228.324 ; U11.17@434.275,226.824 U11.21@434.975,226.824 ; U11.20@434.275,228.324 U11.21@434.975,228.324 ; U11.21@435.328,226.741 435.575,225.872 ; U11.21@435.364,227.757 U11.21@435.075,228.324 ; U11.21@435.403,226.932 U11.21@436.075,227.324 ; U11.21@435.403,227.716 U11.21@436.075,227.324 ; U11.21@435.492,226.577 434.623,226.824 ; U11.21@435.514,226.974 434.623,226.824 ; U11.14@435.575,225.249 U11.21@435.575,226.824 ; U11.14@435.575,225.524 U11.21@435.575,226.224 ; U11.21@435.643,228.036 U11.21@435.075,228.324 ; U11.21@435.684,226.652 U11.21@436.075,227.324 ; U11.21@435.684,227.996 U11.21@436.075,227.324 ; U11.21@435.725,226.763 435.575,225.872 ; U11.21@436.478,226.639 U11.21@436.075,227.224 ; U11.21@436.488,226.629 437.296,226.004 ; U11.21@436.729,226.945 U11.21@436.075,227.224 ; U11.21@436.788,226.89 437.296,226.004 ; U11.21@437.175,227.324 U11.8@437.875,227.324 ; U11.8@438.425,227.324 439.125,227.324 ; v1@438.438,224.441 437.851,225.448 v1@438.859,224.862 ; v1(438.675,224.624) U11.21@436.075,227.224 ; 439.575,227.624 439.275,227.324 U11.8@438.15,227.324 U11.21@436.075,227.324 ; 434.537,228.862 v1(433.675,229.624) 433.775,229.624 U11.21@435.075,228.324 ; 434.623,226.824 v3(435.525,226.774) ; U11.21@435.075,228.324 v3(435.525,227.874) U11.21@436.075,227.324 ; v3(435.525,226.774) U11.21@436.075,227.324 ; v3(435.525,226.774) 435.575,225.872 ; U11.21@435.575,226.824 U11.21@436.075,227.324 ; U11.21@436.075,227.224 v3(436.625,226.774) 437.296,226.004 ; U11.21@436.075,227.224 U11.21@436.075,227.324
  Bottom Layer w0.3: v1@439.127,248.9 U10.3@439.375,247.624 ; v1@439.127,248.893 U10.3@439.375,247.899 ; v1@439.624,248.893 U10.3@439.375,247.899 ; v1@439.624,248.9 U10.3@439.375,247.624 ; v1(440.675,245.624) 440.275,246.024 439.675,246.024 ; v1@445.214,252.215 446.412,253.06 v1@445.567,251.863 ; v1(445.375,252.024) 447.875,254.524 P38.21@447.875,254.624 446.553,253.201 ; P38.21@447.378,254.96 446.553,253.201 ; P38.21@447.641,254.811 446.553,253.201 ; P38.21@448.079,254.403 446.553,253.201 ; P38.21@448.247,254.152 446.553,253.201 ; 439.375,246.324 U10.3@439.375,246.699 ; 439.375,246.324 U10.3@439.375,246.699 ; 439.375,246.324 439.675,246.024 ; 439.375,246.324 U10.3@439.375,247.299 v1(439.375,248.924) ; U10.3@439.375,246.699 439.675,246.024 ; U10.3@439.375,247.624 v1(439.375,248.924) ; U10.3@439.375,247.899 v1(439.375,248.924) ; U10.3@439.375,247.899 v1(439.375,248.924)
  Bottom Layer w0.4: U10.5@437.775,247.299 v1@437.775,249.024 ; U10.5@437.775,247.514 v1(437.675,249.124) ; v1(437.675,249.124) 437.775,247.899 v1@437.775,249.024 ; v1(437.675,249.124) v1@437.775,249.024
  other v1: 415.675,209.124 451.675,209.124 437.675,217.624 433.675,218.124 437.675,218.624 433.675,219.124 434.675,219.124 438.675,219.124 440.175,219.124 437.675,219.624 433.675,220.124 437.675,220.624 432.675,221.124 433.675,221.124 432.175,222.124 441.675,222.124 442.675,222.124 431.675,223.624 439.275,223.624 430.675,224.624 440.675,225.824 442.675,229.624 431.175,230.124 432.175,230.124 442.675,230.624 444.175,230.624 448.775,231.524 444.675,232.124 445.175,233.124 429.975,235.024 448.375,235.224 440.875,235.724 447.175,236.524 433.575,236.724 436.375,236.724 442.675,238.124 429.175,238.324 435.675,239.124 441.375,242.324 443.175,243.624 446.175,244.124 428.075,244.324 448.175,246.124 443.175,247.624 430.375,252.424 438.675,253.624 444.575,255.224 434.275,255.324 430.175,257.124 439.175,257.624 434.675,259.124 430.175,262.624 442.175,263.624 441.176,263.823 442.175,264.624 432.175,282.624 433.175,282.624 415.675,289.124 451.675,289.124
  other v3: 436.625,227.874
EN: P41.25 U1.12 U2.12 U3.12 U4.12 U5.12 U6.12 U7.12 U8.12 U9.12 U12.12 U14.12 U15.12 U16.12 U17.12 U18.12 U19.12 U20.12 U21.12 | length 508.5
  Top Layer w0.2: P41.25@348.659,74.459 350.194,73.826 ; P41.25@348.748,74.642 350.194,73.826 ; P41.25@348.857,74.81 350.194,73.826 ; P41.25@349.02,75 350.3,73.72 350.3,71.7 351.65,70.35 397.347,70.35 406.6,79.603 v1@406.6,97.8 ; P41.25@349.21,75.163 350.194,73.826 ; P41.25@349.378,75.272 350.194,73.826 ; P41.25@349.561,75.361 350.194,73.826 ; v1@406.023,167.616 406.6,168.599 ; v1@406.023,177.616 406.6,178.599 ; v1@406.023,217.516 406.6,218.498 ; v1@406.023,227.516 406.6,228.498 ; v1@406.068,267.298 406.6,266.267 ; v1(406.249,257.499) 406.351,257.499 406.6,257.25 ; v1@406.3,117.4 406.35,117.4 v1(406.35,117.406) ; v1(406.299,128.2) v1@406.6,128.2 ; v1(406.299,167.5) 406.6,168.599 ; v1(406.299,177.5) 406.6,178.599 ; v1(406.299,217.4) 406.6,218.498 ; v1(406.299,227.4) 406.6,228.498 ; v1(406.35,97.8) v1@406.6,97.8 ; v1@406.596,167.459 406.6,168.599 ; v1@406.596,177.459 406.6,178.599 ; v1@406.596,217.359 406.6,218.498 ; v1@406.596,227.359 406.6,228.498 ; v1@406.649,267.426 406.6,266.267 ; v1@406.6,97.8 406.65,97.85 406.65,128.15 v1@406.6,128.2 ; v1@406.6,128.2 406.6,132.01 406.65,132.06 406.65,132.64 406.6,132.69 406.6,257.25 ; 406.6,257.25 406.6,267.15 v1(406.35,267.4) 406.6,266.267
  Bottom Layer w0.2: 404.5,127.3 405.5,127.3 406.299,128.099 v1(406.299,128.2) 405.546,127.346 ; v1@406.05,128.367 405.546,127.346 ; v1@406.19,136.686 405.5,137.3 ; v1@406.2,137.3 405.5,137.3 ; v1(406.35,136.94) 405.5,137.3 ; v1@406.421,137.232 405.5,137.3 ; v1@406.496,127.973 405.546,127.346
  Bottom Layer w0.3: U21.12@397.9,96.275 398.817,96.275 399.25,96.708 399.25,97.045 399.755,97.55 406.05,97.55 406.3,97.8 v1(406.35,97.8) 404.895,97.55 ; U20.12@397.9,106.275 398.817,106.275 399.368,106.825 399.368,106.913 399.755,107.3 406.1,107.3 406.3,107.5 v1(406.35,107.5) ; U19.12@397.9,116.275 398.817,116.275 399.368,116.825 399.368,116.913 399.755,117.3 406.3,117.3 v1@406.3,117.399 ; U18.12@397.9,126.275 398.817,126.275 399.368,126.825 399.368,126.913 399.755,127.3 404.5,127.3 ; U17.12@397.9,136.275 398.817,136.275 399.368,136.825 399.368,136.913 399.755,137.3 405.5,137.3 ; U16.12@397.9,146.275 398.817,146.275 399.368,146.825 399.368,146.913 399.755,147.3 406.3,147.3 v1@406.3,147.399 ; U15.12@397.9,156.275 398.817,156.275 399.368,156.825 399.368,156.913 399.755,157.3 406.2,157.3 406.299,157.399 v1(406.299,157.5) 404.946,157.3 ; U14.12@397.9,166.275 398.817,166.275 399.368,166.825 399.368,166.913 399.755,167.3 406.2,167.3 406.299,167.399 v1(406.299,167.5) 404.946,167.3 ; U12.12@397.9,176.275 398.817,176.275 399.368,176.825 399.368,176.913 399.755,177.3 406.2,177.3 406.299,177.399 v1(406.299,177.5) 404.946,177.3 ; U9.12@397.9,186.275 398.817,186.275 399.368,186.825 399.368,186.913 399.755,187.3 406.2,187.3 406.299,187.399 v1(406.299,187.6) 404.888,187.3 ; U8.12@397.9,196.275 398.817,196.275 399.368,196.825 399.368,196.913 399.755,197.3 406.3,197.3 v1@406.3,197.399 ; U7.12@397.9,206.275 398.817,206.275 399.368,206.825 399.368,206.913 399.755,207.3 406.3,207.3 v1@406.3,207.399 ; U6.12@397.9,216.275 398.817,216.275 399.368,216.825 399.368,216.913 399.755,217.3 406.3,217.3 v1@406.3,217.399 ; U5.12@397.9,226.275 398.817,226.275 399.368,226.825 399.368,226.913 399.755,227.3 406.3,227.3 v1@406.3,227.399 ; U4.12@397.9,236.275 398.817,236.275 399.368,236.825 399.368,236.913 399.755,237.3 406.3,237.3 v1@406.3,237.399 ; U3.12@397.9,246.275 398.817,246.275 399.25,246.708 399.25,246.995 399.655,247.4 406.3,247.4 v1@406.3,247.499 ; U2.12@397.9,256.275 398.817,256.275 399.55,257.008 399.55,257.195 399.755,257.4 406.15,257.4 v1(406.249,257.499) 404.935,257.4 ; U1.12@397.9,266.275 398.817,266.275 399.65,267.108 399.65,267.195 399.855,267.4 v1(406.35,267.4) ; v1@406.207,257.746 404.935,257.4 ; v1@406.226,187.839 404.888,187.3 ; v1@406.24,157.743 404.946,157.3 ; v1@406.24,167.743 404.946,167.3 ; v1@406.24,177.743 404.946,177.3 ; v1@406.244,257.25 404.935,257.4 ; v1@406.257,147.646 404.988,147.3 ; v1@406.257,197.646 404.988,197.3 ; v1@406.257,207.646 404.989,207.3 ; v1@406.257,217.646 404.988,217.3 ; v1@406.257,227.646 404.988,227.3 ; v1@406.257,237.646 404.988,237.3 ; v1@406.257,247.746 404.988,247.4 ; v1@406.287,98.042 404.895,97.55 ; v1@406.294,147.15 404.988,147.3 ; v1@406.294,197.15 404.988,197.3 ; v1@406.295,207.15 404.989,207.3 ; v1@406.294,217.15 404.988,217.3 ; v1@406.294,227.15 404.988,227.3 ; v1@406.294,237.15 404.988,237.3 ; v1@406.294,247.25 404.988,247.4 ; v1@406.299,117.4 406.35,117.4 v1(406.35,117.406) 405.036,117.3 ; v1(406.299,147.4) 404.988,147.3 ; v1(406.299,197.4) 404.988,197.3 ; v1(406.3,207.4) 404.989,207.3 ; v1(406.299,217.4) 404.988,217.3 ; v1(406.299,227.4) 404.988,227.3 ; v1(406.299,237.4) 404.988,237.3 ; v1(406.299,247.5) 404.988,247.4 ; v1@406.306,117.652 405.036,117.3 ; v1@406.313,157.25 404.946,157.3 ; v1@406.313,167.25 404.946,167.3 ; v1@406.313,177.25 404.946,177.3 ; v1@406.326,267.151 405.05,267.4 v1@406.326,267.649 ; v1@406.33,187.351 404.888,187.3 ; v1@406.346,117.156 405.036,117.3 ; v1@406.371,97.551 404.895,97.55